# Altium PCB RFC_MB.PcbDoc (part 37 of 37)
Units mm, origin at the board's own origin, x right, y up, seen from the top; angles counter-clockwise.
Board outline 440 x 340 mm, 6 copper layers (TopLayer, PlaneGnd, PlanePwr, MidLayer3, MidLayer4, BottomLayer); 1264 components, 1336 nets, 5034 pads, 876 vias.
Unrouted connection lines stored in the file: 2433.
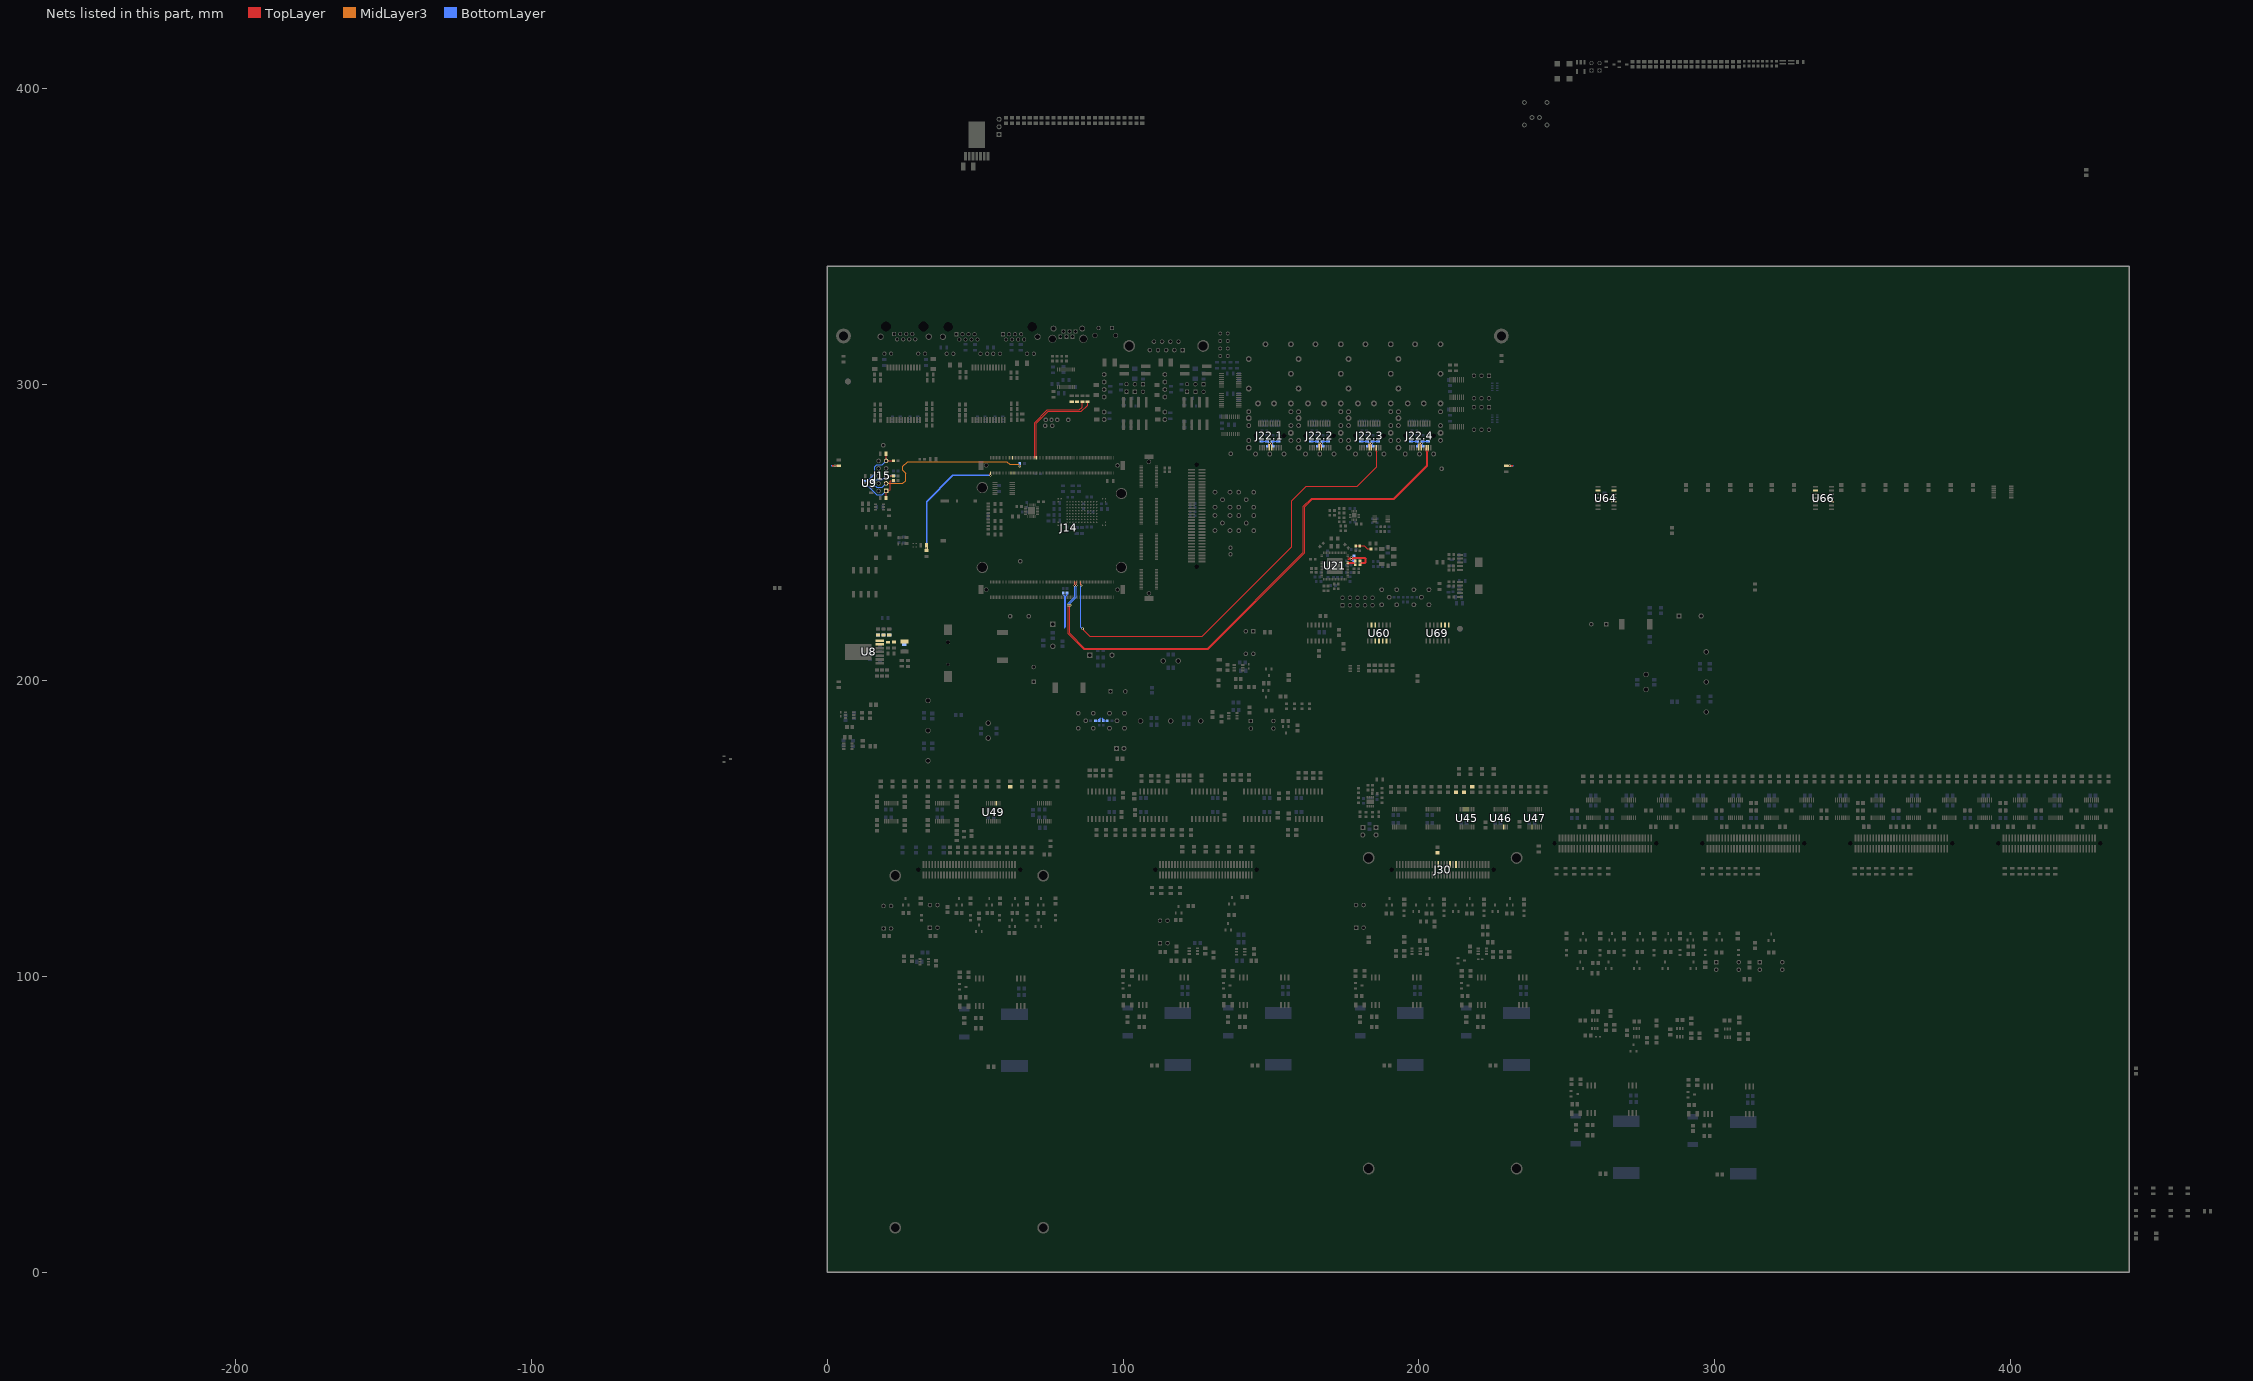
[diagram p41: the nets of this part, all layers, seen from the top]

## Via types
v1: diameter 0.8, hole 0.4, TopLayer to BottomLayer, 488 vias
v2: diameter 1, hole 0.5, TopLayer to BottomLayer, 251 vias
v3: diameter 0.5, hole 0.2, TopLayer to BottomLayer, tented both sides, 137 vias

## Nets (pads, with @x,y where several pads share a name; then routed paths per layer and width w, separated by ;. In a path a pad name is that pad's centre, name@x,y a point inside that pad or via, vN(x,y) a via of type N, cw(c..) or ccw(c..) an arc to the next point about the centre after c; other vN are vias at no path point) (continued)
SFP_TX_2.IO_P: J14.B45 J22.3.18 | length 156.2
  TopLayer w0.25: J14.B45@85.675,233.25 85.675,232.575 85.637,232.538 85.637,232.258 v1(85.82,232.075) ; v1(86.312,217.412) 86.312,217.238 88.675,214.875 126.794,214.875 157,245.081 157,260.625 161.95,265.575 179.088,265.575 185.713,272.2 185.713,277.287 185.525,277.475 J22.3.18@185.525,278.6
  BottomLayer w0.25: v1(85.82,232.075) 85.684,231.939 85.684,217.866 86.138,217.412 v1(86.312,217.412)
SFP_TX_3.IO_N: J14.B53 J22.4.19 | length 183.2
  TopLayer w0.25: v1(81.428,225.35) 81.55,225.228 81.55,215.724 86.774,210.5 128.8,210.5 161.375,243.075 161.375,258.624 163.951,261.2 191.714,261.2 203.013,272.499 203.013,277.287 203.2,277.475 J22.4.19@203.2,278.6 ; v1(83.577,232.075) 83.577,232.176 83.675,232.273 J14.B53@83.675,233.25
  BottomLayer w0.25: v1(81.428,225.35) 81.55,225.473 81.55,226.049 83.7,228.199 83.7,231.953 v1(83.577,232.075)
SFP_TX_3.IO_P: J14.B51 J22.4.18 | length 181.8
  TopLayer w0.25: v1(82.098,225.35) 81.975,225.228 81.975,215.9 86.95,210.925 128.624,210.925 160.95,243.251 160.95,258.8 163.775,261.625 191.537,261.625 202.588,272.675 202.588,277.287 202.4,277.475 J22.4.18@202.4,278.6 ; J14.B51@84.175,233.25 84.175,232.147 v1(84.247,232.075)
  BottomLayer w0.25: v1(82.098,225.35) 81.975,225.473 81.975,225.873 84.125,228.023 84.125,231.953 v1(84.247,232.075)
Start_dDCP+: U60.11 U64.10
Start_dDCP-: U60.12 U64.13
Start_hDCP: U60.5 U66.2
Start_iDCP+: U60.6 U64.2
Start_iDCP-: U60.10 U64.5
Start_sDCP+: U60.13 U66.5 U69.1 U69.2
Start_sDCP-: U66.10 U69.3
StripGND: R30.2 | length 3.4
  TopLayer w0.5: 1.7,272.5 v1(2.65,272.5) R30.2@3.9,272.5
  BottomLayer w0.5: 1.4,272.5 v1(2.65,272.5)
StripGND_T: R32.2 | length 3.5
  TopLayer w0.5: R32.2@229.5,272.525 229.45,272.5 229.5,272.5 v1(230.675,272.5) 231.65,272.5
  BottomLayer w0.5: v1(230.675,272.5) 231.925,272.5
SW: R335.1 U49.11
Sync_clk: R294.1 U45.13
SYNC_In: R296.1 U45.12
SYNC_In_dds: J30.38 U46.6
SyncClk_dds: J30.30 R289.1
SyncOut_: R292.1 U45.14
SyncOut_dds: J30.42 U47.3
TCK_R: J15.1 R42.2 R43.1 U9.1 | length 16.8
  TopLayer w0.25: R43.1@19.925,261.675 19.925,264.015 J15.1@19.92,264.02 J15.1@19.96,264.06
  TopLayer w0.3: J15.1@19.96,264.06 20.86,264.06 21.225,264.425 21.225,267.25 21.475,267.5 22.36,267.5 22.375,267.5 R42.2@22.36,267.56
  BottomLayer w0.3: U9.1@12.835,265.61 13.81,265.61 16.685,262.735 18.635,262.735 J15.1@19.92,264.02
TDI_R: J15.9 R44.2 R48.1 U9.3 | length 16.1
  TopLayer w0.25: J15.9@19.92,274.18 J15.9@19.95,274.21
  TopLayer w0.3: J15.9@19.92,274.18 19.92,276.57 R48.1@19.925,276.575 ; J15.9@19.95,274.21 R44.2@22.36,274.21
  BottomLayer w0.3: U9.3@12.835,267.51 13.76,267.51 16.085,269.835 16.085,272.26 16.76,272.935 18.675,272.935 J15.9@19.92,274.18
TDO_R: J15.3 R47.2 U9.6 | length 59
  MidLayer3 w0.15: J15.3@19.92,266.56 25.535,266.56 26.5,267.525 26.5,270.025 25.6,270.925 25.6,272.3 27.25,273.95 60.765,273.95 61.74,272.975 64.5,272.975 v1(65.075,272.4)
  BottomLayer w0.15: v1(65.075,272.4) R47.2@65.075,273.275
  BottomLayer w0.3: U9.6@15.435,265.61 16.335,265.61 16.685,265.26 18.62,265.26 J15.3@19.92,266.56
TMS_R: J15.5 R45.1 R46.2 U9.4 | length 10.1
  TopLayer w0.3: J15.5@19.92,269.1 22.35,269.1 R46.2@22.36,269.11
  BottomLayer w0.3: U9.4@15.435,267.51 16.285,267.51 16.635,267.86 18.68,267.86 J15.5@19.92,269.1 19.945,269.125 R45.1@22.375,269.125
TX_LEMO_N: C9.1 R17.2 R18.1 | length 14.3
  BottomLayer w0.25: 80.637,217.863 80.637,228.438 81.075,228.875 C9.1@81.075,229.475 ; 92.825,187.325 93.3,186.85 R18.1@93.3,186.4 93.35,186.35 R17.2@94.65,186.35
TX_LEMO_P: C8.1 R13.2 R14.1 | length 13.8
  BottomLayer w0.25: 79.775,228.875 80.212,228.438 80.212,217.686 ; R13.2@90.625,186.35 91.9,186.35 R14.1@91.95,186.4 91.95,186.875 92.4,187.325
UART_CTS: R56.1
UART_RTS: R57.1
UART_RX: J14.A105 R55.1 | length 32.7
  TopLayer w0.25: J14.A105@70.675,275.25 70.675,286.893 74.657,290.875 85.875,290.875 88.025,293.025 R55.1@88.025,294.175
UART_TX: J14.A107 R53.1 | length 31.9
  TopLayer w0.25: J14.A107@70.175,275.25 70.175,287.1 74.45,291.375 85.225,291.375 86.225,292.375 R53.1@86.225,294.175
USB3_SSRX_N: J14.A141
USB3_SSRX_P: J14.A137
USB3_SSTX_N: J14.A140
USB3_SSTX_P: J14.A136
VBUT: C7.2 J14.A168 R8.1 | length 42.6
  TopLayer w0.2: v1(55.175,269.25) J14.A168@55.175,270.05
  TopLayer w0.25: C7.2@33.6,243.875 C7.2@33.61,243.885 v1(33.61,244.7)
  BottomLayer w0.5: v1(33.61,244.7) 33.6,244.7 33.6,260.4 42.45,269.25 v1(55.175,269.25)
VCCRSFP_1: C74.1.2 C75.1.2 J22.1.15 L14.1.2 | length 5.5
  TopLayer w0.25: J22.1.15@149.375,278.6 v1(149.375,280)
  BottomLayer w0.25: C74.1.2@146.775,280.825 L14.1.2@148.655,280.825 148.655,280.72 v1(149.375,280) 148.85,279.475 C75.1.2@148.85,279.125
VCCRSFP_2: C74.2.2 C75.2.2 J22.2.15 L14.2.2 | length 5.6
  TopLayer w0.25: J22.2.15@166.25,278.6 v1(166.25,280)
  BottomLayer w0.25: C74.2.2@163.605,280.8 165.505,280.8 L14.2.2@165.53,280.825 165.53,280.72 v1(166.25,280) 165.725,279.475 C75.2.2@165.725,279.125
VCCRSFP_3: C74.3.2 C75.3.2 J22.3.15 L14.3.2 | length 5.6
  TopLayer w0.25: J22.3.15@183.125,278.6 v1(183.125,280)
  BottomLayer w0.25: C74.3.2@180.48,280.8 182.38,280.8 L14.3.2@182.405,280.825 183.125,280.105 v1(183.125,280) 182.6,279.475 C75.3.2@182.6,279.125
VCCRSFP_4: C74.4.2 C75.4.2 J22.4.15 L14.4.2 | length 5.6
  TopLayer w0.25: J22.4.15@200,278.6 v1(200,280)
  BottomLayer w0.25: C74.4.2@197.355,280.8 197.38,280.825 L14.4.2@199.28,280.825 199.28,280.72 v1(200,280) 199.475,279.475 C75.4.2@199.475,279.125
VCCTSFP_1: C76.1.2 C77.1.2 J22.1.16 L15.1.2 | length 5.4
  TopLayer w0.25: J22.1.16@150.175,278.6 v1(150.175,280.025)
  BottomLayer w0.3: C77.1.2@150.7,279.1 150.7,279.5 v1(150.175,280.025) 150.53,280.38 L15.1.2@150.53,280.825 C76.1.2@152.425,280.825
VCCTSFP_2: C76.2.2 C77.2.2 J22.2.16 L15.2.2 | length 5.4
  TopLayer w0.25: J22.2.16@167.05,278.6 v1(167.05,280.025)
  BottomLayer w0.25: C77.2.2@167.575,279.1 167.575,279.5 v1(167.05,280.025) 167.405,280.38 L15.2.2@167.405,280.825 C76.2.2@169.305,280.825
VCCTSFP_3: C76.3.2 C77.3.2 J22.3.16 L15.3.2 | length 5.4
  TopLayer w0.25: J22.3.16@183.925,278.6 v1(183.925,280.025)
  BottomLayer w0.25: C77.3.2@184.45,279.1 184.45,279.5 v1(183.925,280.025) 184.28,280.38 L15.3.2@184.28,280.825 C76.3.2@186.18,280.825
VCCTSFP_4: C76.4.2 C77.4.2 J22.4.16 L15.4.2 | length 5.4
  TopLayer w0.25: J22.4.16@200.8,278.6 v1(200.8,280.025)
  BottomLayer w0.25: C77.4.2@201.325,279.1 201.325,279.5 v1(200.8,280.025) 201.155,280.38 L15.4.2@201.155,280.825 C76.4.2@203.055,280.825
VD_TMP: C19.1 C20.1 C21.1 C26.2 C27.2 C28.2 L1.1 R35.1 R36.2 R37.1 U8.6 U8.7
XTAL: C80.1 R108.2 R109.1 | length 5.6
  TopLayer w0.25: C80.1@178.625,245.425 R109.1@180,245.425 181.5,245.425 182.5,244.425 R108.2@183.825,244.425
ZDIN_N: C85.2 R112.1 U21.62 | length 11.1
  TopLayer w0.15: U21.62@175.975,241.425 176.475,241.425 176.563,241.338 176.928,241.338 v1(177.1,241.51) ; v1@177.275,241.325 177.49,241.325 177.69,241.525 181.685,241.525 182.15,241.06 182.15,239.865 181.797,239.513 180.538,239.513 C85.2@180.075,239.05
  BottomLayer w0.15: v1(177.1,241.51) 177.56,241.51 R112.1@178.025,241.975
ZDIN_P: C84.2 R112.2 U21.61 | length 10
  TopLayer w0.15: U21.61@175.975,240.925 176.475,240.925 176.563,241.012 176.928,241.012 v1(177.1,240.84) ; v1@177.275,241 177.625,241 177.825,241.2 181.55,241.2 181.825,240.925 181.825,240 181.662,239.837 180.538,239.837 C84.2@180.075,240.3
  BottomLayer w0.15: v1(177.1,240.84) 177.56,240.84 R112.2@178.025,240.375
ZDO_N: C85.1 U21.58 | length 2.7
  TopLayer w0.15: U21.58@175.975,239.425 176.475,239.425 176.563,239.513 178.013,239.513 C85.1@178.475,239.05
ZDO_P: C84.1 U21.59 | length 2.7
  TopLayer w0.15: U21.59@175.975,239.925 176.475,239.925 176.563,239.837 178.013,239.837 C84.1@178.475,240.3
pads on no net: J1.0 J2.6 J2.9 J7.6 J14.0 J14.A102 J14.A114 J14.A115 J14.A116 J14.A118 J14.A122 J14.A127 J14.A128 J14.A129 J14.A131 J14.A133 J14.B8 J14.B167 J14.B168 J14.C8 J15.7 J15.8 J17.11A J17.11B J17.12A J17.12B J17.MH1 J17.MH2 J18.MH1 J18.MH2 J22.1.MTG1 J22.1.MTG2 J22.2.MTG1 J22.2.MTG2 J22.3.MTG1 J22.3.MTG2 J22.4.MTG1 J22.4.MTG2 J30.43 J30.59 J30.63 J30.65 J30.66 J31.43 J31.55 J31.65 J31.66 J34.1 J34.5 J34.9 J34.13 J34.17 J34.18 J34.21 J34.25 J34.29 J34.33 J34.37 J34.41 J34.45 J34.49 J34.53 J34.57 J34.61 J34.65 J34.66 J42.65 J42.66 J43.65 J43.66 J44.55 J44.65 J44.66 J45.65 J45.66 P1.65 P1.66 R272.1 R273.2 R276.1 R277.2 R279.1 R281.1 R290.2 R302.2 R303.1 R305.1 R386.2 R392.1 R393.2 R394.2 R395.2 R396.2 R398.2 R400.2 R410.1 R410.2 R412.2 R414.2 R435.1 R435.2 T1.2 U6.8 U6.10 U6.12 U10.11 U10.14 U13.5 U14.5 U15.5 U16.5 U19.1.5 U19.1.7 U19.2.5 U19.2.7 U20.3 U21.5 U22.1 U22.5 U23.3 U23.4 U23.5 U23.6 U23.15 U27.4 U28.3 U38_1.14 U38_1.15 U38_1.16 U38_1.17 U38_1.26 U38_1.27 U38_2.14 U38_2.15 U38_2.16 U38_2.17 U38_2.26 U38_2.27 U38_3.14 U38_3.15 U38_3.16 U38_3.17 U38_3.26 U38_3.27 U38_4.14 U38_4.15 U38_4.16 U38_4.17 U38_4.26 U38_4.27 U38_5.14 U38_5.15 U38_5.16 U38_5.17 U38_5.26 U38_5.27 U38_6.14 U38_6.15 U38_6.16 U38_6.17 U38_6.26 U38_6.27 U38_7.14 U38_7.15 U38_7.16 U38_7.17 U38_7.26 U38_7.27 U60.3 U60.4 U65.6 U65.8 U65.11 U69.4 U69.5 U69.6 U69.10 U69.11 U69.12 U69.13 U71.3 U72.3 U73.3 U74.3 U75.3 U76.3 U77.3 U78.3
copper on no net: | length 167
  TopLayer w0.15: 106.125,267.4 107.377,267.4 v3(107.45,267.327) ; v3@107.352,267.9 v3(107.45,267.997)
  TopLayer w0.25: 170.325,245.3 170.325,244.5 170.775,244.05 170.775,243.125 ; 172.275,243.125 172.275,243.775 172.725,244.225 173.25,244.225 173.575,244.55 v3(173.575,244.775)
  TopLayer w0.3: 184.7,257.05 v3(184.7,258.125) ; 192.675,252.9 194.7,252.9 ; 194.275,250.325 195.35,250.325 195.64,250.615 196.7,250.615 196.7,252.9 ; 194.7,254.9 196.7,254.9 202.575,254.9
  TopLayer w0.5: 170.325,245.3 169.275,246.35 169.275,248.875 169.525,249.125 171.3,249.125 172.525,247.9 172.525,247.2 v3(173.575,246.15) v3(173.575,244.775)
  MidLayer3 w0.2: 183.79,173.04 185.275,174.525
  BottomLayer w0.25: v3(107.45,267.327) 107.573,267.45 108.05,267.45 148.011,267.45 159.074,256.388 168.302,256.388 v3(168.425,256.265) ; v3(107.45,267.997) 107.573,267.875 108.05,267.875 148.188,267.875 159.25,256.813 168.302,256.813 v3(168.425,256.935)
  other v2: 18,5 78,5 78,5 98,5 158,5 178,5 178,5 178,5 238,5 238,5 238,5 238,5 258,5 318,5 318,5 153.96,36.74 153.96,36.74 367.75,105.75 369.75,105.75 363.19,138.88 18,145 78,145 98,145 158,145 178,145 233,145 389.5,146.75 -44.955,148.85 -192.32,168.45 -252.19,168.49 -237.645,169.36 -250.69,200.23 -250.69,200.23 -196.23,200.23 -196.23,200.23 213.85,217.45 251.13,305 -246.32,306.99 -246.32,306.99 -252.19,308.49 -192.19,308.49
  other v3: 16.41,200.51 17.16,200.51 18.135,200.51 18.885,200.51 19.86,200.51 20.61,200.51 25.2,203.48 27.25,203.48 26.06,207.99 26.85,207.98 27.625,207.98 24.425,208.005 25.225,208.005 130.81,209.46 135.96,209.96 17.175,214.355 18.125,214.355 19.05,214.355 19.975,214.355 20.925,214.355 85.325,216.425 86.824,217.924 16.81,218.31 17.56,218.31 18.685,218.31 19.435,218.31 20.56,218.31 21.31,218.31 87.938,219.438 89.438,220.938 94.975,221.5 94.975,223.625 144.885,223.735 82.625,224.725 152.35,225.1 158.325,225.1 152.35,227.25 158.325,227.25 215.575,228.1 209.198,228.15 219.125,228.625 221.225,228.625 86.275,229.15 95.175,229.2 152.35,229.4 158.325,229.4 92.35,229.947 94.175,231.329 83.075,231.35 84.7,231.35 86.325,231.35 88.025,231.35 92.175,231.35 208.6,231.875 219.125,232.825 221.225,232.825 209.198,233.325 164.3,233.35 216.55,233.55 164.025,234.975 209.175,237.3 219.125,237.783 221.225,237.783 209.175,238.6 124.901,240.15 216.45,240.408 33.6,240.75 209.2,241.075 219.125,241.983 221.225,241.983 216.45,242.408 209.2,242.525 180.975,243.825 169.025,244.8 173.575,245.425 169.275,246.6 173.05,246.675 169.275,247.4 169.275,248.225 171.6,248.825 169.375,249 170.975,249.125 170.125,249.15 20.585,251.735 74.75,252.775 124.875,253.4 186.575,253.975 172.05,254.25 20.85,254.775 191.8,257.925 95.725,257.95 173,258.95 189.35,259.025 71.801,259.3 95.3,259.7 195.6,259.7 193.7,260.125 124.85,260.85 124.85,262.7 182.176,265.075 187.926,265.075 151.026,266.175 114.6,266.4 116.575,266.4 168.926,269.075 175.176,269.075 191.926,269.075 124.9,270.15 187.676,270.825 124.9,271.15 152.001,271.375 156.726,271.925 170.926,272.825 178.676,272.825 153.926,273.325 196.176,273.325 120.65,283.575 98.9,285.625 4.675,306.35 5.45,306.35 6.225,306.35 227.075,306.575 227.85,306.575 228.625,306.575

## Polygon pours and split planes (outlines as drawn)
GND on BottomLayer "GND_L06_P165" (solid, remove dead copper, pour order 165): 212.65,66.8 212.65,103.8 242.65,103.8 242.65,66.8
GND on BottomLayer "GND_L06_P162" (solid, remove dead copper, pour order 162): 98.2,66.8 98.2,103.8 128.2,103.8 128.2,66.8
GND on BottomLayer "GND_L06_P160" (solid, remove dead copper, pour order 160): 132.199,66.823 132.199,103.823 162.199,103.823 162.199,66.823
GND on BottomLayer "GND_L06_P163" (solid, remove dead copper, pour order 163): 38.25,66.8 38.25,103.8 68.25,103.8 68.25,66.8
GND on BottomLayer "GND_L06_P164" (solid, remove dead copper, pour order 164): 176.8,66.8 176.8,103.8 206.8,103.8 206.8,66.8
GND on BottomLayer "GND_L06_P161" (solid, remove dead copper, pour order 161): 289.25,30 289.25,67 319.25,67 319.25,30
GND on BottomLayer "GND_L06_P159" (solid, remove dead copper, pour order 159): 249.75,30.25 249.75,67.25 279.75,67.25 279.75,30.25
MGND on BottomLayer "BOT_SLD_RIGHT" (solid, remove dead copper, pour order 148): 232.575,159.675 222.9,159.675 222.9,149.25 232.575,149.25
MGND on BottomLayer "BOT_SLD_LEFT" (solid, remove dead copper, pour order 147): 0.775,159.675 9.7,159.675 9.7,149.05 0.775,149.05
GND on TopLayer "GND_L01_P158" (solid, remove dead copper, pour order 158): 242.65,66.8 242.65,103.8 212.65,103.8 212.65,66.8
GND on TopLayer "GND_L01_P155" (solid, remove dead copper, pour order 155): 128.2,66.8 128.2,103.8 98.2,103.8 98.2,66.8
GND on TopLayer "GND_L01_P153" (solid, remove dead copper, pour order 153): 162.199,66.823 162.199,103.823 132.199,103.823 132.199,66.823
GND on TopLayer "GND_L01_P156" (solid, remove dead copper, pour order 156): 68.25,66.8 68.25,103.8 38.25,103.8 38.25,66.8
GND on TopLayer "GND_L01_P157" (solid, remove dead copper, pour order 157): 206.8,66.8 206.8,103.8 176.8,103.8 176.8,66.8
GND on TopLayer "GND_L01_P154" (solid, remove dead copper, pour order 154): 319.25,30 319.25,67 289.25,67 289.25,30
GND on TopLayer "GND_L01_P152" (solid, remove dead copper, pour order 152): 279.75,30.25 279.75,67.25 249.75,67.25 249.75,30.25
MGND on TopLayer "TOP_SLD_RIGHT" (solid, remove dead copper, pour order 149): 232.6,159.675 223.35,159.675 223.35,149.05 232.6,149.05
MGND on TopLayer "TOP_SLD_LEFT" (solid, remove dead copper, pour order 146): 0.75,159.675 9.725,159.675 9.725,149.05 0.75,149.05
GND on MidLayer4 "GND_MID4" (solid, remove dead copper, pour order 151): 268.225,139.825 47.725,139.825 47.725,130.3 41.125,130.3 41.125,-18.025 268.225,-18.025
GND on MidLayer3 "GND_MID3" (solid, remove dead copper, pour order 150): 268.225,139.825 47.725,139.825 47.725,130.3 41.125,130.3 41.125,-18.025 268.225,-18.025
GND on PlaneGnd (split plane): 439.49,0.51 0.51,0.51 0.51,199.4 2.25,199.4 2.25,308.923 14.198,308.923 14.198,303.3 14.205,303.248 14.225,303.199 14.257,303.157 14.299,303.125 14.348,303.105 14.4,303.098 73.6,303.098 73.652,303.105 73.701,303.125 73.743,303.157 73.775,303.199 73.795,303.248 73.802,303.3 73.802,312.548 88.698,312.548 88.698,309.65 88.698,293.05 88.698,292.275 88.705,292.223 88.725,292.174 88.757,292.132 88.799,292.1 88.848,292.08 88.9,292.073 98.9,292.073 98.9,289.75 108.925,289.75 108.925,292.073 119.375,292.073 119.375,289.75 129.4,289.75 129.4,292.073 130.15,292.073 130.202,292.08 130.251,292.1 130.293,292.132 130.325,292.174 130.345,292.223 130.352,292.275 130.352,309.448 131.175,309.448 131.227,309.455 131.276,309.475 131.318,309.507 131.35,309.549 131.37,309.598 131.377,309.65 131.377,318.373 219.748,318.373 219.748,309.05 219.755,308.998 219.775,308.949 219.807,308.907 219.849,308.875 219.898,308.855 219.95,308.848 231.1,308.848 231.1,199.4 233.6,199.4 233.6,308.848 233.652,308.855 233.701,308.875 233.743,308.907 233.775,308.949 233.795,308.998 233.802,309.05 233.802,311.5 233.795,311.552 233.775,311.601 233.743,311.643 233.701,311.675 233.652,311.695 233.6,311.702 233.548,311.695 233.499,311.675 233.457,311.643 233.425,311.601 233.405,311.552 233.398,311.5 233.398,309.252 220.152,309.252 220.152,318.575 220.145,318.627 220.125,318.676 220.093,318.718 220.051,318.75 220.002,318.77 219.95,318.777 131.175,318.777 131.123,318.77 131.074,318.75 131.032,318.718 131,318.676 130.98,318.627 130.973,318.575 130.973,309.852 130.246,309.852 130.202,309.87 130.15,309.877 130.098,309.87 130.054,309.852 121.4,309.852 121.4,315.5 110.475,315.5 110.475,309.852 89.102,309.852 89.102,312.75 89.095,312.802 89.075,312.851 89.043,312.893 89.001,312.925 88.952,312.945 88.9,312.952 73.6,312.952 73.548,312.945 73.499,312.925 73.457,312.893 73.425,312.851 73.405,312.802 73.398,312.75 73.398,303.502 14.602,303.502 14.602,309.125 14.595,309.177 14.575,309.226 14.543,309.268 14.501,309.3 14.452,309.32 14.4,309.327 0.51,309.327 0.51,339.49 439.49,339.49
GND on PlaneGnd (split plane): 109.348,292.477 108.925,292.477 108.925,293 98.9,293 98.9,292.477 89.102,292.477 89.102,305.2 109.348,305.2
GND on PlaneGnd (split plane): 173.946,246.971 173.946,244.179 173.771,244.005 171.154,244.005 168.854,246.304 168.854,249.521 171.396,249.521
GND on PlaneGnd (split plane): 129.948,292.477 129.4,292.477 129.4,293 119.375,293 119.375,292.477 109.752,292.477 109.752,305.2 129.948,305.2
GND on PlaneGnd (split plane): 178.921,254.93 177.354,254.93 177.354,256.496 178.921,256.496
no net on PlanePwr (split plane): 85.323,225.552 71.95,225.552 71.898,225.545 71.849,225.525 71.807,225.493 71.775,225.451 71.755,225.402 71.748,225.35 71.748,220.202 63.877,220.202 63.877,222.675 63.877,229.348 66.248,229.348 66.248,228.85 66.255,228.798 66.275,228.749 66.307,228.707 66.349,228.675 66.398,228.655 66.45,228.648 68.875,228.648 68.927,228.655 68.976,228.675 69.018,228.707 69.05,228.749 69.07,228.798 69.077,228.85 69.077,229.348 71.223,229.348 71.223,228.85 71.23,228.798 71.25,228.749 71.282,228.707 71.324,228.675 71.373,228.655 71.425,228.648 73.973,228.648 73.973,228.1 73.98,228.048 74,227.999 74.032,227.957 74.074,227.925 74.123,227.905 74.175,227.898 76.675,227.898 76.727,227.905 76.776,227.925 76.818,227.957 76.85,227.999 76.87,228.048 76.877,228.1 76.877,229.523 79.373,229.523 79.373,226.4 79.38,226.348 79.4,226.299 79.432,226.257 79.474,226.225 79.523,226.205 79.575,226.198 82.6,226.198 82.652,226.205 82.701,226.225 82.743,226.257 82.775,226.299 82.795,226.348 82.802,226.4 82.802,229.673 85.323,229.673
no net on PlanePwr (split plane): 618 vertices, not listed, extent 0.51,0.51 439.49,339.49
no net on PlanePwr (split plane): 269 vertices, not listed, extent 51.802,227.327 111.348,275.098
no net on PlanePwr (split plane): 481 vertices, not listed, extent 45.902,220.227 177.398,277.423
no net on PlanePwr (split plane): 180.623,237.625 180.63,237.573 180.65,237.524 180.682,237.482 180.724,237.45 180.773,237.43 180.825,237.423 201.125,237.423 201.177,237.43 201.226,237.45 201.268,237.482 201.3,237.524 201.32,237.573 201.327,237.625 201.327,241.598 206.898,241.598 206.898,234.727 178.927,234.727 178.927,242.225 178.92,242.277 178.9,242.326 178.868,242.368 178.826,242.4 178.777,242.42 178.725,242.427 173.65,242.427 173.598,242.42 173.549,242.4 173.507,242.368 173.475,242.326 173.455,242.277 173.448,242.225 173.448,241.127 167.277,241.127 167.277,243.898 180.623,243.898
no net on PlanePwr (split plane): 178.523,234.525 178.53,234.473 178.55,234.424 178.582,234.382 178.624,234.35 178.673,234.33 178.725,234.323 211.398,234.323 211.398,232.725 211.398,230.927 208.802,230.927 208.802,231.95 208.795,232.002 208.775,232.051 208.743,232.093 208.701,232.125 208.652,232.145 208.6,232.152 180.3,232.152 180.248,232.145 180.199,232.125 180.157,232.093 180.125,232.051 180.105,232.002 180.098,231.95 180.098,230.352 162.302,230.352 162.302,238.223 166.923,238.223 166.923,234.302 166.4,234.302 166.348,234.295 166.299,234.275 166.257,234.243 166.225,234.201 166.205,234.152 166.198,234.1 166.198,232.6 166.205,232.548 166.225,232.499 166.257,232.457 166.299,232.425 166.348,232.405 166.4,232.398 169.05,232.398 169.102,232.405 169.151,232.425 169.193,232.457 169.225,232.499 169.245,232.548 169.252,232.6 169.252,233.548 173.6,233.548 173.652,233.555 173.701,233.575 173.743,233.607 173.775,233.649 173.795,233.698 173.802,233.75 173.802,235.523 175.298,235.523 175.298,233.8 175.305,233.748 175.325,233.699 175.357,233.657 175.399,233.625 175.448,233.605 175.5,233.598 177.6,233.598 177.652,233.605 177.701,233.625 177.743,233.657 177.775,233.699 177.795,233.748 177.802,233.8 177.802,236.1 177.795,236.152 177.775,236.201 177.743,236.243 177.701,236.275 177.652,236.295 177.6,236.302 177.51,236.302 177.51,239.675 177.504,239.727 177.483,239.776 177.451,239.818 177.41,239.85 177.361,239.87 177.309,239.877 173.852,239.877 173.852,240.925 173.852,242.023 178.523,242.023
no net on PlanePwr (split plane): 109.298,293.277 89.102,293.277 89.102,305.198 109.298,305.198
no net on PlanePwr (split plane): 129.973,293.277 109.702,293.277 109.702,305.198 129.973,305.198

## Other copper
TopLayer:
  region net +5VME: 20.635,204.46 20.635,204.96 16.21,204.96 16.21,204.46
  rectangle net ChasisGND: 0.75,161.95 2.25,200.25
  rectangle net StripGND: 0.75,220.25 2.25,275.25
  rectangle: 0.75,280.25 2.25,310.375
  region: 232.6,311.95 231.1,311.95 231.1,280.25 232.6,280.25
  region net StripGND_T: 232.6,275.25 231.1,275.25 231.1,220.25 232.6,220.25
  region net ChasisGND_T: 219.1,210.25 217.6,210.25 217.6,171.95 219.1,171.95
  pour cut-out: -0.25,309.175
  pour cut-out: 230.225,309.05 233.6,309.05 233.6,159.75 230.225,159.75
  pour cut-out: 3.125,309.05 -0.25,309.05 -0.25,159.75 3.125,159.75
  pour cut-out: 9.726,308.625 14.4,308.625 14.4,294.2 73.625,294.2 73.625,312.725 88.95,312.725 88.95,293.075 130.276,293.075 130.276,309.675 131.175,309.675 131.175,318.575 219.85,318.575 219.85,308.625 223.35,308.625 223.35,322.25 9.7,322.25
  pour cut-out: 108.75,293.075 108.75,289.4 99.325,289.4 99.325,293.075
  pour cut-out: 129.501,293.075 129.501,289.4 119.8,289.4 119.8,293.075
  pour cut-out: 203.013,277.525 204.263,277.525 204.263,271.949 192.514,260.2 164.751,260.2 162.625,258.074 162.625,242.525 129.35,209.25 86.23,209.25 80.3,215.18 80.3,227.724 94.137,227.724 94.137,226.589 94.726,226 121.678,226 145.875,250.197 145.875,277.647 146.015,277.787 153.638,277.787 153.638,274.2 150.775,271.337 150.775,264.8 158.725,272.75 161.999,272.75 162.788,273.539 162.788,278 170.538,278 170.537,271.511 167.813,268.786 176.074,268.786 179.638,272.35 179.637,277.8 187.387,277.8 187.387,271.474 181.514,265.6 181.514,264.85 188.8,264.85 196.537,272.587 196.538,277.538
  pour cut-out: 87.219,227.724
  pour cut-out: 54.801,260.425 55.676,260.425 55.876,260.625 56.301,260.625 56.301,248.675 54.801,248.675
  pour cut-out: 80.051,261.393 80.051,252.365 92.06,252.365 92.06,261.383
  pour cut-out: 77.04,251.365 79.701,251.365 79.701,252.375 79.662,252.375 79.662,252.714 78.401,253.975 77.04,253.975
  pour cut-out: 77.04,262.385 79.701,262.385 79.701,261.375 79.662,261.375 79.662,261.036 78.401,259.775 77.04,259.775
  pour cut-out: 95.06,251.365 92.399,251.365 92.399,252.375 92.438,252.375 92.438,252.714 93.699,253.975 95.06,253.975
  pour cut-out: 95.06,262.385 92.399,262.385 92.399,261.375 92.438,261.375 92.438,261.036 93.699,259.775 95.06,259.775
  pour cut-out: 219.851,308.625 219.851,309.05 231.101,309.05 231.101,308.625
  pour cut-out: 3.125,308.625 3.125,309.05 14.426,309.05 14.426,308.625
  pour cut-out: 77.61,305.785 83.81,305.785 83.81,298.435 77.61,298.435
  pour cut-out: 61.735,290.61 65.76,290.61 65.76,288.21 61.735,288.21
  pour cut-out: 44.24,290.285 47.31,290.285 47.31,287.9 44.24,287.9
  pour cut-out: 32.97,288.71 36.04,288.71 36.04,286.31 32.97,286.31
  pour cut-out: 15.52,288.485 18.59,288.485 18.59,286.735 15.52,286.735
  pour cut-out: 167.51,234.66 167.51,242.71 175.56,242.71 175.56,234.66
  pour cut-out: 18.061,291.682 33.456,291.685 33.456,289.939 33.51,289.885 33.51,289.178 18.056,289.178
  pour cut-out: 46.756,291.682 62.151,291.685 62.151,289.939 62.205,289.885 62.205,289.178 46.751,289.178
MidLayer3:
  pour cut-out: 168.6,249.775 171.5,249.775 174.2,247.075 174.2,243.75 170.9,243.75 168.6,246.05
  pour cut-out: 9.725,309.05 14.4,309.05 14.4,294.2 73.625,294.2 73.625,312.725 88.95,312.725 88.95,293.075 130.025,293.075 130.025,309.675 131.175,309.675 131.175,318.575 219.85,318.575 219.85,309.225 233.6,309.225 233.6,322.25 9.7,322.25
  pour cut-out: 108.75,293.075 108.75,289.4 99.325,289.4 99.325,293.075
  pour cut-out: 129.225,293.075 129.225,289.4 119.8,289.4 119.8,293.075
  pour cut-out: 47.251,294.578 61.751,294.578 61.751,290.978 47.251,290.978
  pour cut-out: 18.556,294.578 33.056,294.578 33.056,290.978 18.556,290.978
MidLayer4:
  pour cut-out: 168.6,249.775 171.5,249.775 174.2,247.075 174.2,243.75 170.9,243.75 168.6,246.05
  pour cut-out: 9.725,309.05 14.4,309.05 14.4,294.2 73.625,294.2 73.625,312.725 88.95,312.725 88.95,293.075 130.025,293.075 130.025,309.675 131.175,309.675 131.175,318.575 219.85,318.575 219.85,309.225 233.6,309.225 233.6,322.25 9.7,322.25
  pour cut-out: 108.75,293.075 108.75,289.4 99.325,289.4 99.325,293.075
  pour cut-out: 129.225,293.075 129.225,289.4 119.8,289.4 119.8,293.075
  pour cut-out: 18.556,294.578 33.056,294.578 33.056,290.978 18.556,290.978
  pour cut-out: 47.251,294.578 61.751,294.578 61.751,290.978 47.251,290.978
BottomLayer:
  region net ChasisGND_T: 219.1,210.25 217.6,210.25 217.6,171.95 219.1,171.95
  rectangle: 0.75,280.25 2.25,310.45
  rectangle net StripGND: 0.75,220.25 2.25,275.25
  rectangle net ChasisGND: 0.75,161.95 2.25,200.25
  region net StripGND_T: 232.6,275.25 231.1,275.25 231.1,220.25 232.6,220.25
  region: 232.6,312.1 231.1,312.1 231.1,280.25 232.6,280.25
  pour cut-out: 168.6,249.775 171.5,249.775 174.2,247.075 174.2,243.75 170.9,243.75 168.6,246.05
  pour cut-out: 3.125,309.05 -0.25,309.05 -0.25,159.75 3.125,159.75
  pour cut-out: 9.726,308.675 14.4,308.675 14.4,294.2 73.625,294.2 73.625,312.725 88.95,312.725 88.95,293.075 130.025,293.075 130.025,309.675 130.785,309.675 130.785,318.575 219.85,318.575 219.85,308.85 223.35,308.85 223.35,322.25 9.7,322.25
  pour cut-out: 230.225,309.05 233.6,309.05 233.6,159.75 230.225,159.75
  pour cut-out: 80.55,260.875 85.55,260.875 85.55,258.599 84.983,258.032 84.983,253.125 80.55,253.125
  pour cut-out: 129.225,293.075 129.225,289.4 119.8,289.4 119.8,293.075
  pour cut-out: 108.75,293.075 108.75,289.4 99.325,289.4 99.325,293.075
  pour cut-out: 169.71,236.32
  pour cut-out: 169.735,233.995 176.26,233.995 176.26,236.295 169.735,236.295
  pour cut-out: 130.7,308.325 130.7,304.67 135.335,304.67 135.335,302.72 136.635,302.72 136.635,304.495 139.55,304.495 139.55,308.32 133.585,308.32 133.585,309.345 132.183,309.345 132.183,308.325
  pour cut-out: 145.71,288.145 145.71,289.105 153.01,289.105 153.01,288.12
  pour cut-out: 162.585,288.145 162.585,289.105 169.885,289.105 169.885,288.12
  pour cut-out: 179.46,288.145 179.46,289.105 186.76,289.105 186.76,288.12
  pour cut-out: 196.335,288.145 196.335,289.105 203.635,289.105 203.635,288.12
  pour cut-out: 18.556,294.578 33.056,294.578 33.056,290.978 18.556,290.978
  pour cut-out: 47.251,294.578 61.751,294.578 61.751,290.978 47.251,290.978
PlaneGnd (plane layer: these items are gaps in the copper):
  rectangle: 110.475,306.925 121.4,315.5
  rectangle: 88.9,305.2 130.15,309.65
  rectangle: 231.1,199.4 233.6,309.05
  region: 2.25,309.05 -0.25,309.05 -0.25,199.4 2.25,199.4
  rectangle: 98.9,289.75 108.925,293
  rectangle: 119.375,289.75 129.4,293
  lines w0.254: 168.725,246.25 168.725,249.65 171.45,249.65 174.075,247.025 174.075,244.125 173.825,243.875 171.1,243.875 168.725,246.25 ; 177.225,254.8 179.05,254.8 179.05,256.625 177.475,256.625 177.225,256.625 177.225,254.8
  lines w0.4: -0.25,310.875 -0.25,309.125 14.4,309.125 14.4,303.3 73.6,303.3 73.6,312.75 88.9,312.75 88.9,292.275 130.15,292.275 130.15,309.675 ; 88.9,293.05 88.9,309.65 131.175,309.65 131.175,318.575 219.95,318.575 219.95,309.05 233.6,309.05 233.6,311.5 ; 109.55,292.275 109.55,309.65
PlanePwr (plane layer: these items are gaps in the copper):
  rectangle: 231.1,199.4 233.6,309.225
  region: 2.25,309.225 -0.25,309.225 -0.25,199.4 2.25,199.4
  rectangle: 88.9,305.4 130.325,321.825
  rectangle: 9.75,312.3 89.525,322.225
  rectangle: 14.4,294.125 73.65,320.05
  rectangle: 0,309.05 15.1,320.25
  rectangle: 128.675,318.55 223.325,322.225
  rectangle: 220.075,309.025 233.35,320.25
  rectangle: 98.9,289.775 108.925,293
  rectangle: 119.375,289.775 129.4,293
  pour cut-out: 168.725,249.675 171.45,249.675 174.05,247.075 174.05,244.1 170.75,244.1 168.725,246.125
  lines w0.4: -0.25,205.775 21.9,205.775 21.9,202.15 4.05,202.15 4.05,179.9 ; 63.675,222.675 63.675,220.025 55.3,220.025 45.7,229.625 45.7,271.025 50.95,276.275 75.825,276.275 76.175,275.925 76.175,274.45 77.65,272.975 77.65,270.725 78.25,270.125 79.4,270.125 80.175,270.9 80.175,271.025 79.175,272.025 79.175,276.625 82.175,276.625 85.425,276.625 85.425,274.2 86.225,273.4 86.225,272.4 86.725,271.9 86.725,270.6 86.175,270.05 ; 74.175,267.45 74.175,271.425 76.3,271.425 76.3,269.925 76.3,265.225 83.175,265.225 83.175,271.675 85,271.675 85.5,271.175 85.5,270.725 86.175,270.05 ; 74.175,267.95 74.175,265.187 63.9,265.187 57.938,265.187 51.6,258.85 51.6,251.55 56.675,246.475 56.675,228.85 57.675,228.85 57.675,227.125 60.675,227.125 60.675,230.35 59.675,230.35 59.675,234.425 62.675,234.425 62.675,232.4 62.675,231.375 70.675,231.375 70.675,233.2 71.675,233.2 71.675,237.65 76.175,237.65 76.175,233.35 75.675,233.35 75.675,231.55 75.675,231.175 77.7,231.175 78.65,232.125 78.65,233.1 77.825,233.925 77.825,234.875 78.175,235.225 81.375,235.225 83.078,233.522 84.675,233.522 84.675,246.175 95.875,246.175 103.1,253.4 107.925,253.4 107.925,255.45 111.55,255.45 111.55,257.425 103.025,257.425 103.025,263.4 103.575,263.4 107.975,263.4 107.975,265.5 111.35,265.5 111.35,267.175 102.45,267.175 101.825,266.55 92.175,266.55 92.175,271.9 91.175,271.9 91.175,274.475 90.35,275.3 89.05,275.3 88.925,275.175 88.925,272.625 89.75,272.625 89.75,269.95 89.175,269.95 ; 85.525,226.45 113,226.45 124.975,238.425 167.125,238.425 167.125,234.1 166.4,234.1 166.4,232.6 169.05,232.6 169.05,233.75 173.6,233.75 173.6,235.725 175.5,235.725 175.5,233.8 177.6,233.8 177.6,236.1 177.309,236.1 177.309,239.675 174.6,239.675 173.65,239.675 173.65,240.925 ; 86.175,269.25 86.175,270.05 ; 88.925,274.45 88.275,274.45 87.175,275.55 87.175,277.625 93.675,277.625 ; 89.175,269.25 89.175,269.95 ; 109.55,305.4 88.9,305.4 88.9,293.075 109.5,293.075 ; 121.425,276.475 121.425,255.075 135.575,240.925 138.7,240.925 173.65,240.925 ; 162.1,238.425 162.1,230.15 180.3,230.15 180.3,231.95 208.6,231.95 208.6,230.725 211.6,230.725 211.6,232.725 211.6,234.525 ; 162.375,191.85 162.375,193.225 163.675,193.225 163.675,191.875 175.25,191.875 175.25,193.2 176.55,193.2 176.55,191.875 188.05,191.875 188.05,193.2 189.35,193.2 189.35,191.875 200.925,191.875 200.925,193.225 202.225,193.225 202.225,191.85 213.725,191.85 213.725,193.125 215.2,193.125 215.2,190.925 ; 167.075,240.925 167.075,244.1 180.825,244.1 180.825,237.625 201.125,237.625 201.125,241.67 ; 175.875,181.85 164.3,181.85 164.3,183.2 163,183.2 163,181.875 151.45,181.875 151.45,183.2 150.15,183.2 150.15,181.9 77.7,181.9 77.7,183.225 76.4,183.225 76.4,181.85 52.475,181.85 52.475,183.225 51.175,183.225 51.175,181.85 30.05,181.85 30.05,183.225 28.75,183.225 28.75,181.85 15.225,181.85 15.225,183.025 12.175,183.025 12.175,178.925 15.225,178.925 15.225,180.925 228.7,180.925 ; 201.125,241.8 207.1,241.8 207.1,234.525 211.6,234.525 ; 206.5,184.475 208.075,184.475 208.075,182.775 208.925,181.925 211.275,181.925 211.275,185.5 216.725,185.5 216.725,204.2 215,204.2 ; 220.15,174.475 145.175,174.475 145.175,172.9 144.325,172.05 142.1,172.05 142.1,174.4 11.775,174.4 11.775,172.8 10.95,171.975 4.05,171.975 4.05,179.9 ; 224.775,175.5 8.875,175.5 8.875,174.45 6.05,174.45 6.05,177.725 6.05,179.9 4.05,179.9 ; 228.5,194.2 228.5,276.5 98.125,276.5 98.125,268.475 93.675,268.475 93.675,285.85 91.1,285.85 91.1,290.6 96.175,290.6 ; 233.575,284.125 233.05,283.6 117.275,283.6 117.275,290.65 111.15,290.65 111.15,283.875 110.775,283.875 96.2,283.875 96.2,290.6 ; 86.175,270.05 86.175,261.875 75.85,261.875 75.85,261.525 60.25,261.525 54.125,255.4 54.125,253.725 55.975,251.875 77.55,251.875 94.55,251.875 94.55,261.875 89.175,261.875 89.175,269.95 ; 96.175,290.6 96.2,290.6 ; 96.175,290.6 96.2,290.6 ; 109.5,293.075 130.175,293.075 130.175,305.4 109.5,305.4 109.5,293.075 ; 173.65,240.925 173.65,242.225 178.725,242.225 178.725,234.525 211.6,234.525 ; 63.675,220 71.95,220 71.95,225.35 85.525,225.35 85.525,229.875 82.6,229.875 82.6,226.4 79.575,226.4 79.575,229.725 76.675,229.725 76.675,228.1 74.175,228.1 74.175,228.85 71.425,228.85 71.425,229.55 68.875,229.55 68.875,228.85 66.45,228.85 66.45,229.55 63.675,229.55 63.675,220

## Silkscreen, mask and mechanical layers (free items; w line width, h text height)
TopOverlay:
  circle w0.1: c114,162.5 r0.2
  lines w0.1: 190.737,196.579 ccw(c190.5,196.5) 190.75,196.5
  lines w0.15: 29.025,247.175 30.05,247.175 ; 29.05,244.1 30.075,244.1 ; 29.338,246.762 29.75,247.175 29.338,247.587 29.338,246.8 ; 29.363,243.688 29.775,244.1 29.363,244.513 29.363,243.725 ; 29.75,246.8 29.75,247.575 ; 29.775,243.725 29.775,244.5
  text "GPIO64" at 73.35,294.65 h1 r270
  text "GPIO52" at 75.325,294.65 h1 r270
  text "GPIO51" at 77.175,294.625 h1 r270
  text "GND" at 82.725,289.4 h1 r270
  text "GND" at 20.275,280.8 h1 r270
  text "GND" at 137.65,278.025 h1 r270
  text "PWR Fail" at 29.35,277.775 h1 r270
  text "GND" at 208.925,272.875 h1 r270
  text "REF IN" at 207.425,257.625 h1 r270
  text "QBRP" at 137.925,244.325 h1
  text "QBRN" at 137.925,242.225 h1
  text "+3.3V" at 61.85,237.475 h1
  text "PLL OUT N" at 194.375,223.25 h1 r180
  text "PLL OUT P" at 205.3,223.25 h1 r180
  text "COIN BAT CR1220" at 49.425,219.025 h1.2 r270
  text "+2.5V" at 58.375,218.925 h1
  text "+1.8V" at 66.725,218.925 h1
  text "XCVR TX P" at 93.25,181.5 h1 r180
  text "XCVR TX N" at 104.425,181.5 h1 r180
BottomOverlay:
  lines w0.15: 132.675,304.625 133.025,305.525 ; 134.075,304.15 135.175,305 ; 133.025,305.525 133.025,305.15 132.8,305.175 133.025,305.525 ; 135.175,305 135.05,304.725 134.85,304.9 135.175,305
  text "conf done" at 144.225,316.85 h0.85
  text "fpgaLed2" at 143.35,314.9 h0.85
  text "gnd" at 131.225,314.875 h0.85 r90
  text "gpio57" at 141.7,312.725 h0.85
  text "fpgaLed1" at 142.9,310.725 h0.85
  text "j5" at 169.8,41 h2
  text "j4" at 233.075,20.075 h2
TopSolder:
  rectangle: 0.7,120.2 2.3,159.75
  rectangle: 0.7,60.2 2.3,115.3
  rectangle: 0.7,1.9 2.3,40.3
BottomSolder:
  rectangle: 0.7,1.9 2.3,40.3
  rectangle: 0.7,60.2 2.3,115.3
  rectangle: 0.7,120.2 2.3,159.75
  rectangle: 231.05,120.2 232.65,159.75
  rectangle: 231.05,60.2 232.65,115.3
  rectangle: 231.05,1.9 232.65,40.3
Mechanical1:
  rectangle: 55.025,273.65 96.825,274.7
  rectangle: 55.025,270.6 96.825,271.65
  region: 106.675,272.55 106.675,230.75 107.725,230.75 107.725,272.55
  region: 109.725,272.55 109.725,230.75 110.775,230.75 110.775,272.55
  rectangle: 55.025,228.6 96.825,229.65
  rectangle: 55.025,231.65 96.825,232.7
  lines w0.25: 2.575,159.775 2.575,320.275 ; 230.85,159.825 230.85,320.35
Mechanical2:
  lines w0.15: -11.25,322.5 244.6,322.5
  lines w0.25: -11.25,322.5 -11.25,325 ; -11.25,332.5 -11.25,335
  lines w0.254: -11.25,325 244.6,325
  lines w0.5: 17.65,316.8 17.65,332.7 ; 119.81,326.7 119.81,224.81 241.725,224.81
Mechanical4:
  lines w0.25: 0,160 0,320 9.95,320 9.95,322 223.1,322 223.1,320 233.35,320 233.35,160 ; 10,160 243.35,160
Mechanical12:
  circle w0.254: c212.3,179.4 r0.66
  circle w0.254: c212.3,179.4 r2.183
  lines w0.05: -7.45,66.8 222.375,66.8 ; -1.5,126.75 189.75,126.75 ; 38.25,66.8 72.225,66.8 ; 256.4,160.5 429.6,160.5
  lines w0.4: -252.32,303.99 -192.32,303.99 ; 288,5 288,145 ; 338,5 338,145 ; 388,5 388,145 ; 78,5 18,5 78,5 ; 78,5 78,145 ; 78,5 78,145 ; 78,145 18,145 78,145 ; 98,5 158,5 ; 98,5 98,145 ; 98,5 158,5 ; 98,5 98,145 ; 98,145 158,145 ; 98,145 158,145 ; 158,5 158,145 ; 158,5 158,145 ; 178,5 178,145 ; 178,5 238,5 ; 178,5 178,145 ; 178,5 238,5 ; 178,145 238,145 ; 178,145 238,145 ; 238,5 238,145 ; 238,5 238,145 ; -252.19,168.49 -252.19,308.49 -192.19,308.49 -192.19,168.49 -252.19,168.49 ; -186,168 -186,308 -126,308 -126,168 -186,168 ; 251.13,165 251.13,305 251.13,165 ; 258,5 318,5 258,5 ; 258,145 318,145 258,145
  lines w0.406: 18,5 18,145 ; 20.5,5 452.5,5
  text "J6" at 252,302.5 h2
  text "J4" at 236.5,203.5 h2
  text "1" at 235.5,200.5 h2
  text "J1" at 39.88,155.25 h2 r180
Mechanical16:
  lines w0.05: 184,136 225.2,136 ; 190.8,132.2 190.8,136 190.8,137.8 ; 225.2,133.2 225.2,136 ; 225.2,138.8 225.2,136 ; 228,136 225.2,136
  lines w0.5: 440,0 0,0 0,340 440,340

## Text inside footprints (layer, text, board x,y; h text height)
J7: Top Assembly "ON" at 8.02,234.35 h1; Top Assembly "1" at 8.17,231.075 h1
J10: TopOverlay "0" at 223.325,288.91 h1.2 r270; Bottom Mechanical13/Mechanical14 "0" at 223.325,288.91 h1.2 r270
J12: TopOverlay "0" at 223.325,299.56 h1.2 r270; Bottom Mechanical13/Mechanical14 "0" at 223.325,299.56 h1.2 r270
J14: Mechanical1 "Connectro B" at 94.925,230.05 h1.52 r180; Mechanical1 "Connectro C" at 109.325,270.65 h1.52 r270; Mechanical1 "Connectro A" at 94.925,272.05 h1.52 r180
J27: TopOverlay "1" at 241.2,391.491 h0.97 r90; TopOverlay "2" at 238.663,391.402 h0.97 r90; TopOverlay "3" at 237.825,387.241 h0.97 r90; Bottom Mechanical13/Mechanical14 "1" at 241.2,391.491 h0.97 r90; Bottom Mechanical13/Mechanical14 "2" at 238.663,391.402 h0.97 r90; Bottom Mechanical13/Mechanical14 "3" at 237.825,387.241 h0.97 r90
U33: TopOverlay "-VIN" at 59.75,181.1 h1.2 r180; TopOverlay "-VOUT" at 32.69,173.355 h1.2 r180; TopOverlay "+VOUT" at 32.69,193.675 h1.2 r180; TopOverlay "+VIN" at 59.75,186.1 h1.2 r180; Bottom Mechanical13/Mechanical14 "+VOUT" at 32.69,193.675 h1.2 r180; Bottom Mechanical13/Mechanical14 "-VOUT" at 32.69,173.355 h1.2 r180; Bottom Mechanical13/Mechanical14 "+VIN" at 59.75,186.1 h1.2 r180; Bottom Mechanical13/Mechanical14 "-VIN" at 59.75,181.1 h1.2 r180
U36: TopOverlay "-VIN" at 117.99,211.91 h1.2 r270; TopOverlay "-VOUT" at 125.735,184.85 h1.2 r270; TopOverlay "+VOUT" at 105.415,184.85 h1.2 r270; TopOverlay "+VIN" at 112.99,211.91 h1.2 r270; Bottom Mechanical13/Mechanical14 "+VOUT" at 105.415,184.85 h1.2 r270; Bottom Mechanical13/Mechanical14 "-VOUT" at 125.735,184.85 h1.2 r270; Bottom Mechanical13/Mechanical14 "+VIN" at 112.99,211.91 h1.2 r270; Bottom Mechanical13/Mechanical14 "-VIN" at 117.99,211.91 h1.2 r270
U41: TopOverlay "+VIN" at 271.41,196.36 h1.2; TopOverlay "+VOUT" at 298.47,188.785 h1.2; TopOverlay "-VOUT" at 298.47,209.105 h1.2; TopOverlay "-VIN" at 271.41,201.36 h1.2; Bottom Mechanical13/Mechanical14 "-VIN" at 271.41,201.36 h1.2; Bottom Mechanical13/Mechanical14 "+VIN" at 271.41,196.36 h1.2; Bottom Mechanical13/Mechanical14 "-VOUT" at 298.47,209.105 h1.2; Bottom Mechanical13/Mechanical14 "+VOUT" at 298.47,188.785 h1.2